# Altium PCB Drive_Circuit.PcbDoc
Units mm, origin at the board's own origin, x right, y up, seen from the top; angles counter-clockwise.
Board outline 80 x 60 mm, 4 copper layers (Top Layer, Internal Plane 1, Internal Plane 2, Bottom Layer), stack 0.462 mm thick; 53 components, 30 nets, 155 pads, 9 vias.
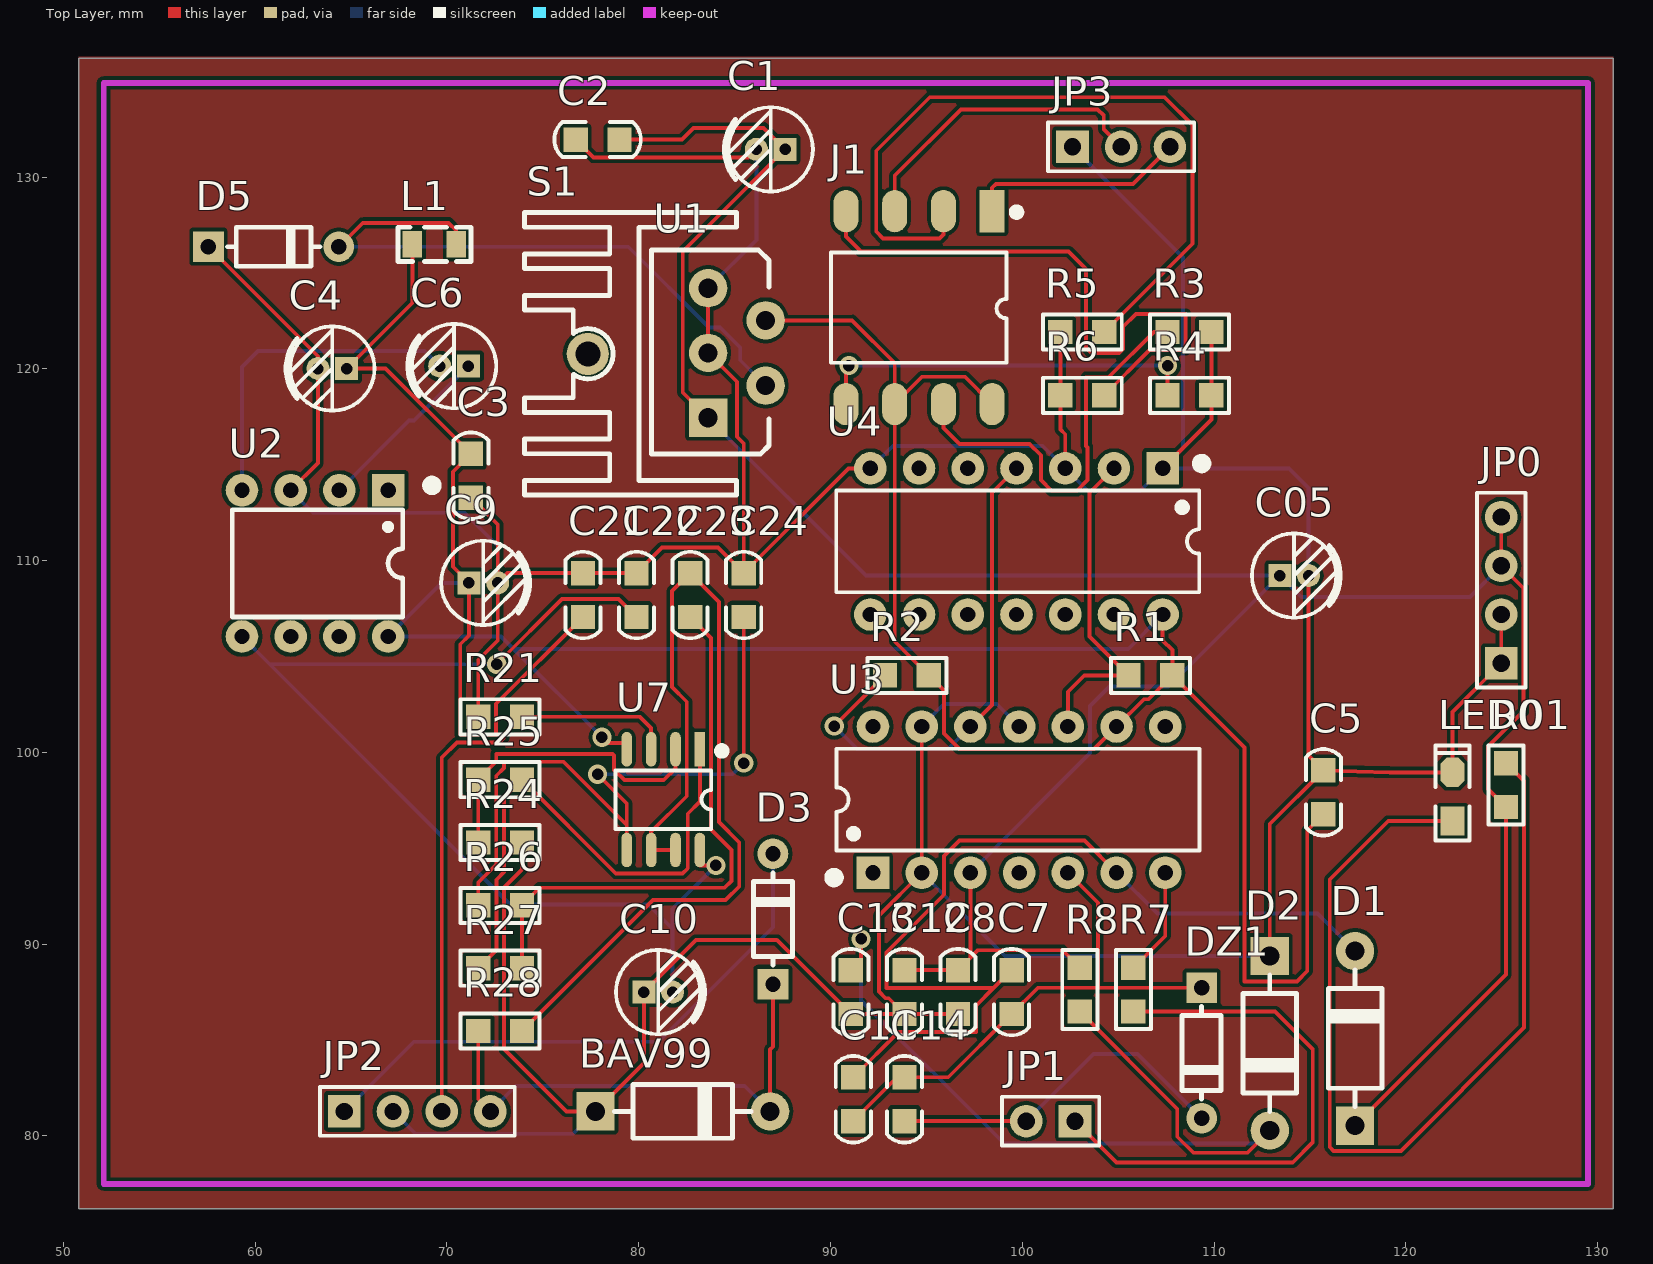
[diagram p0: Top Layer view]
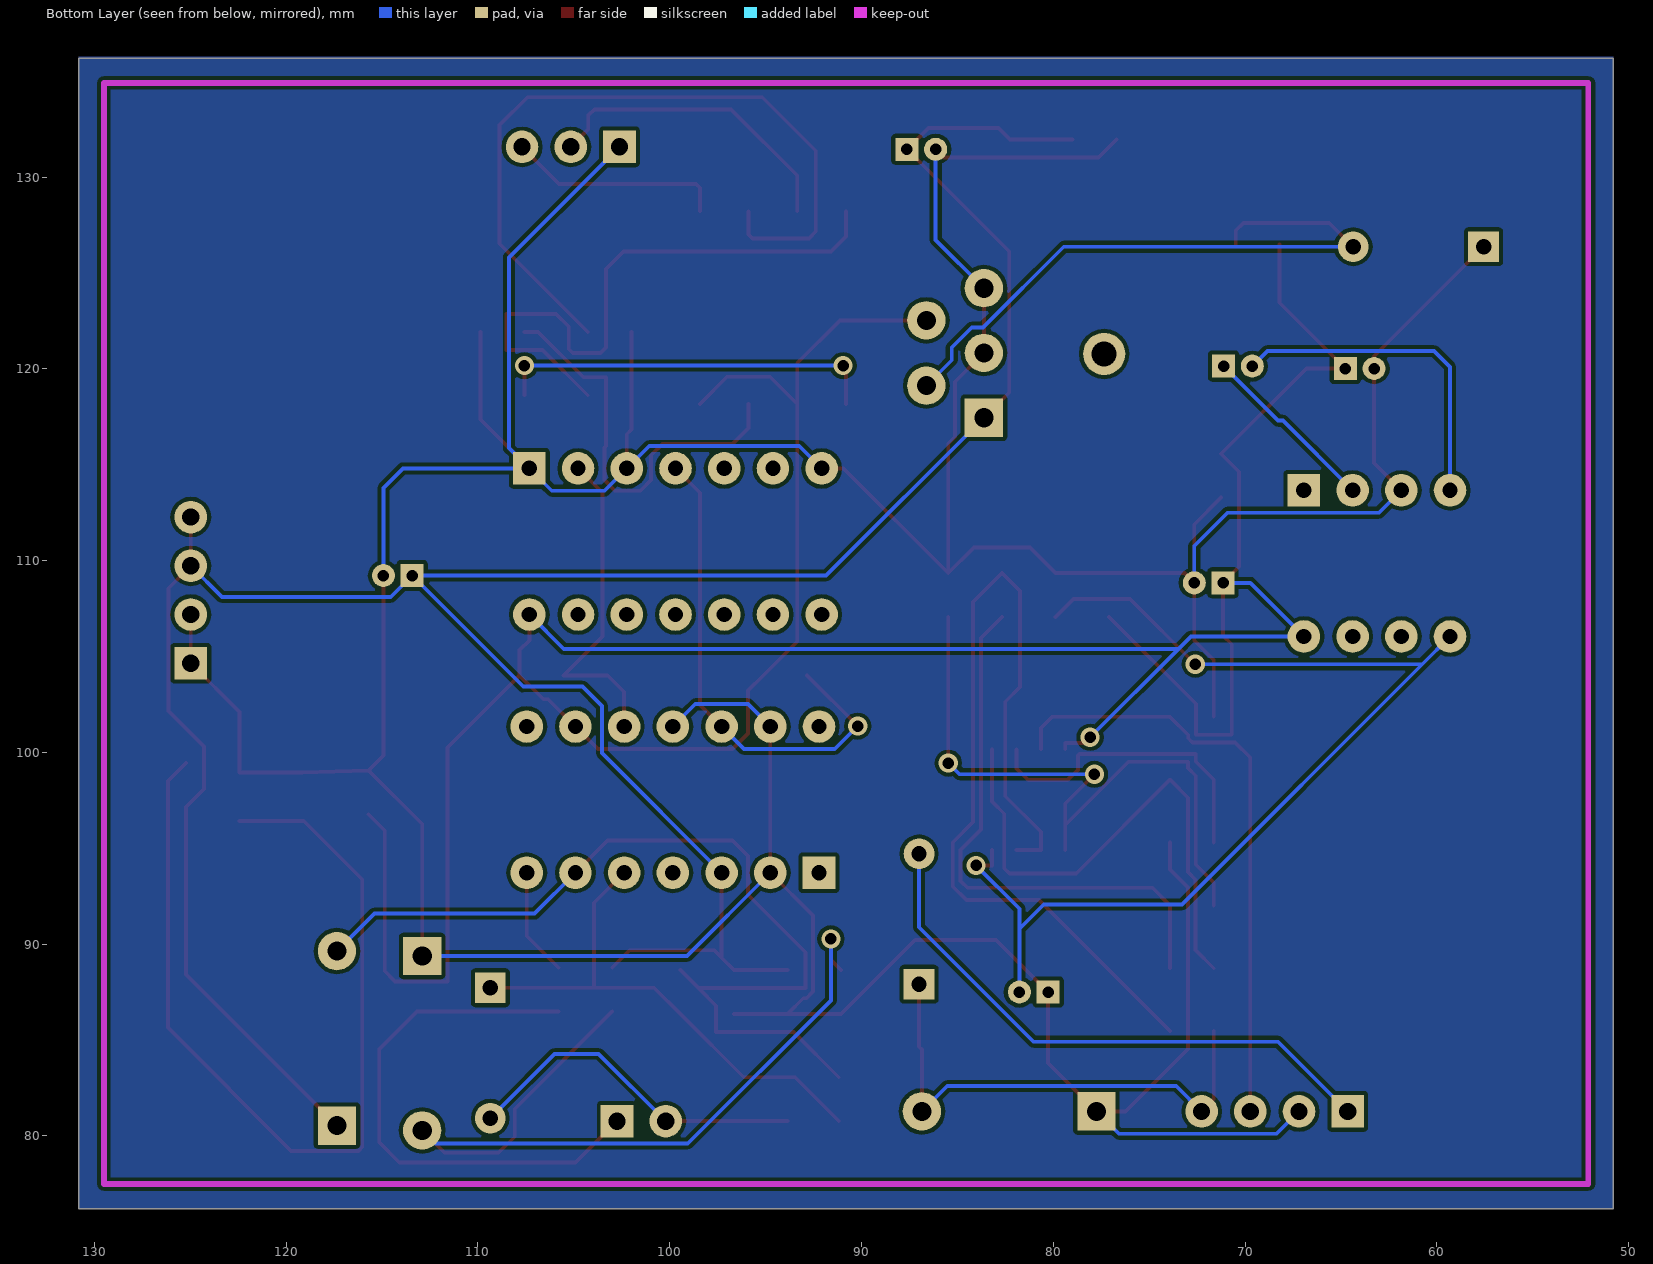
[diagram p1: Bottom Layer view, seen from below]
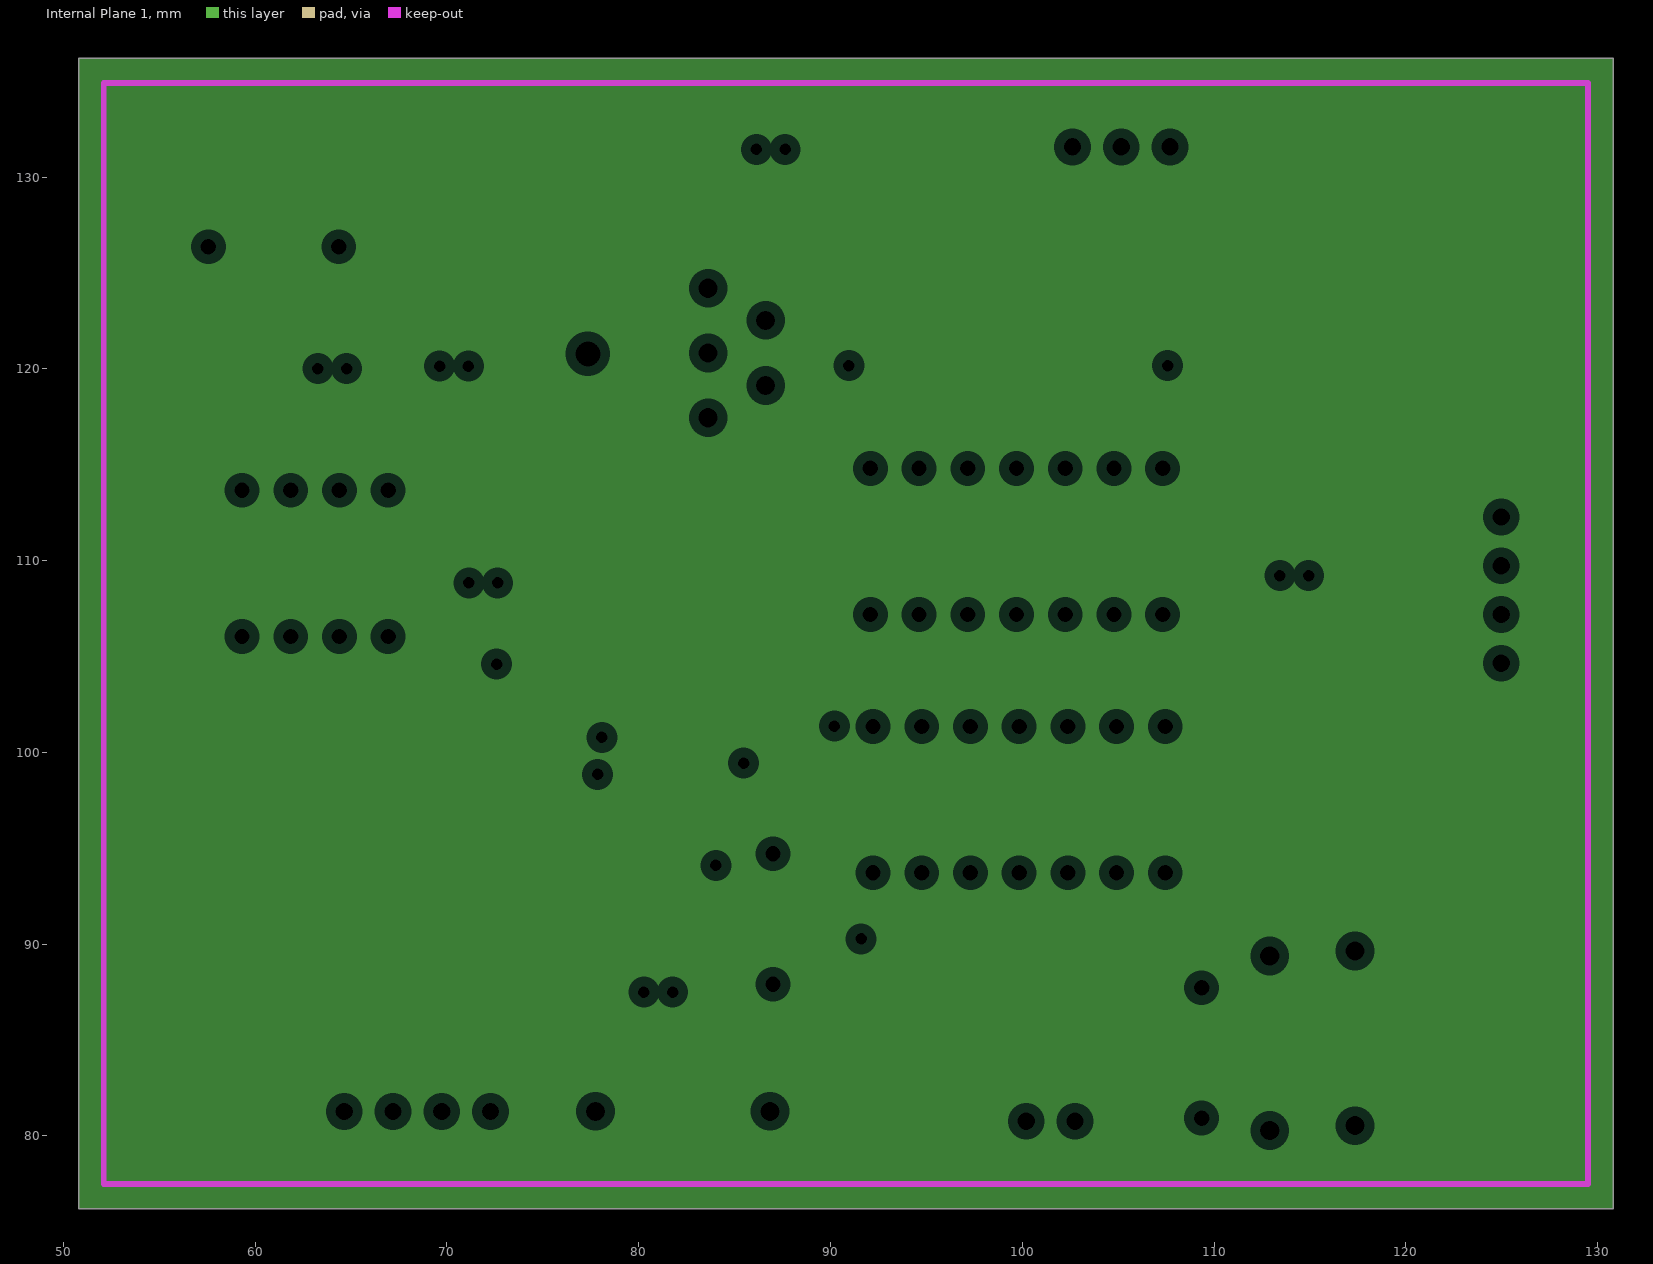
[diagram p2: Internal Plane 1, clearances drawn from the general rule]
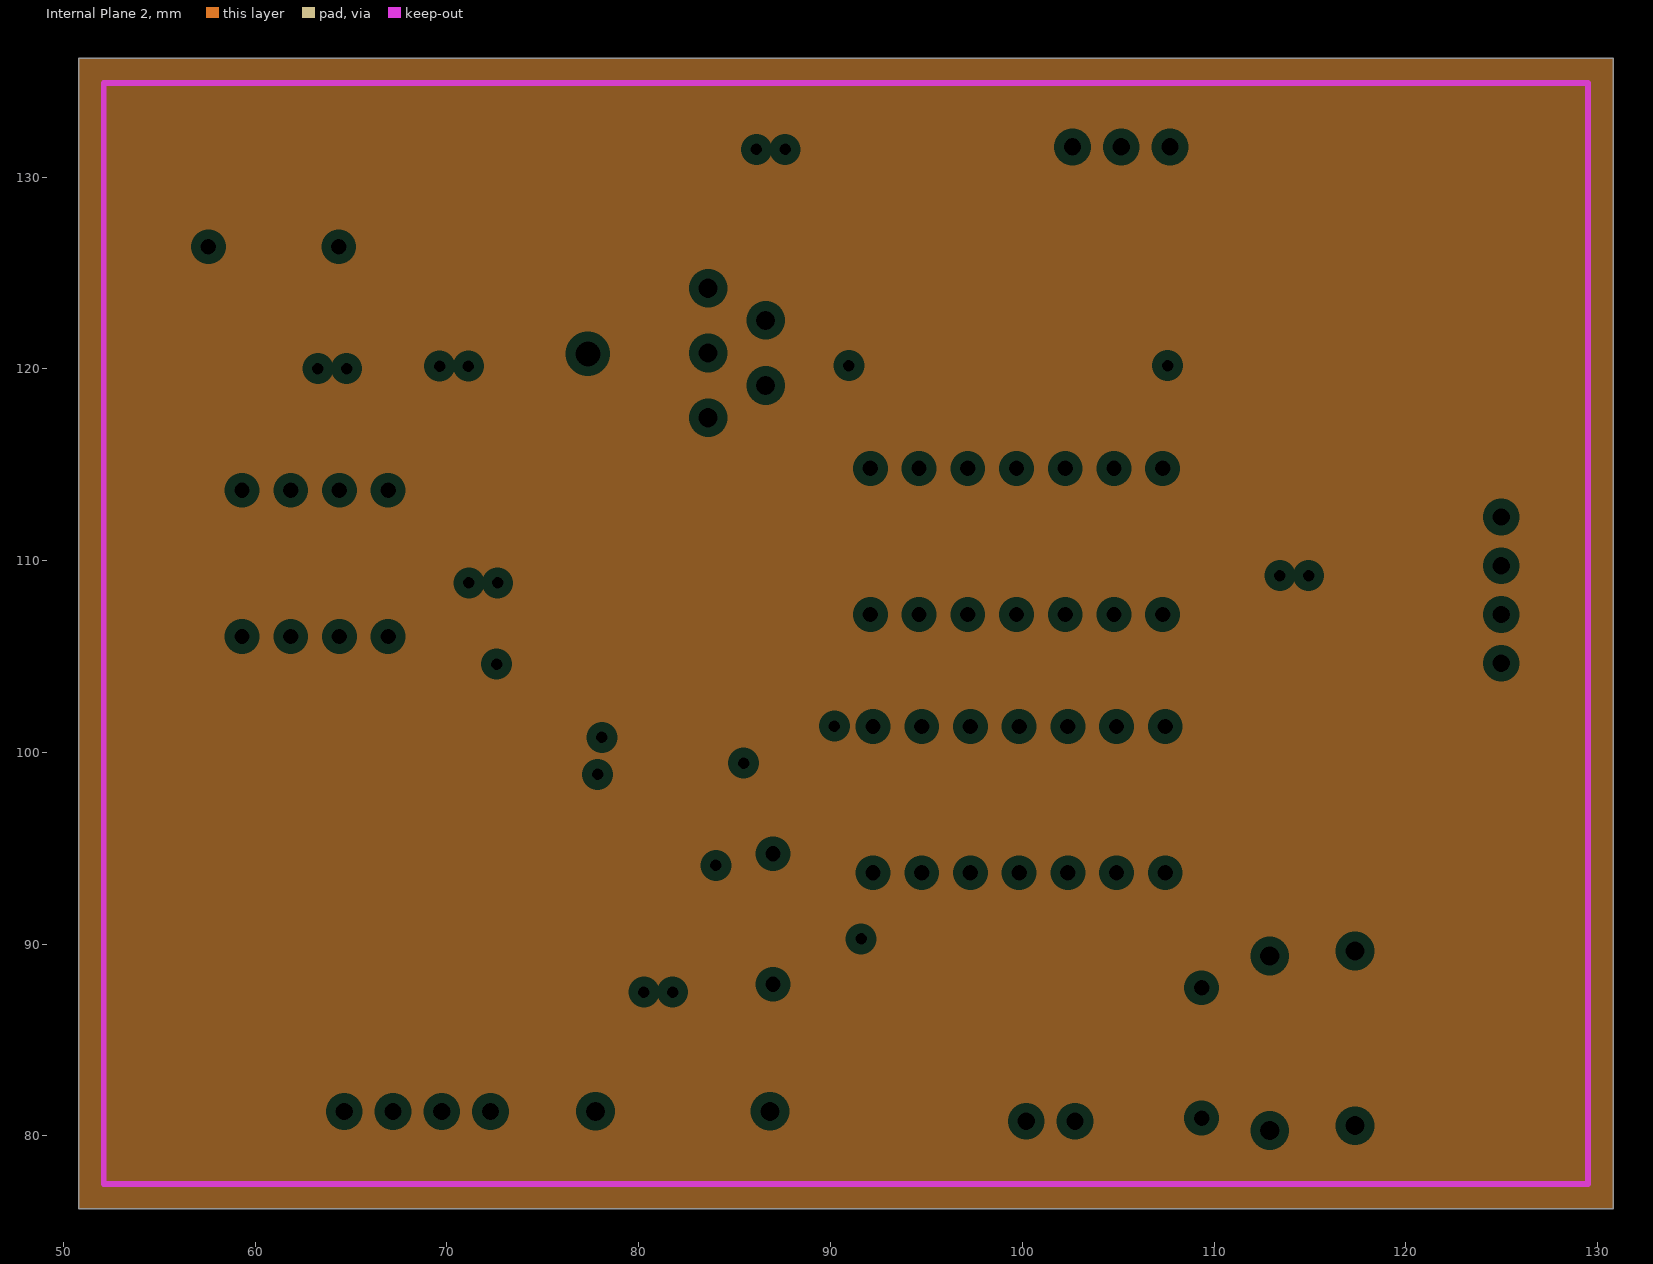
[diagram p3: Internal Plane 2, clearances drawn from the general rule]

## Layer stack, top to bottom
Top Solder: solder mask 0.0102, Solder Resist, Dk 3.5
Top Layer: signal copper 0.0356
Internal Plane 1: plane copper 0.0356
Internal Plane 2: plane copper 0.0356
Dielectric 1: dielectric 0.32, FR-4, Dk 4.8
Bottom Layer: signal copper 0.0356
Bottom Solder: solder mask 0.0102, Solder Resist, Dk 3.5

## Board outline
50.8,76.2 130.8,76.2 130.8,136.2 50.8,136.2

## Design rules (kind name [scope] priority, off if disabled: settings)
Clearance [All] p1: gap=0.2 ignorepadtopadclearanceinfootprint=FALSE
PlaneClearance [All] p1: clearance=0.508
PlaneConnect [All] p1: planeconnectstyle=Relief reliefexpansion=0.508 reliefentries=4 reliefconductorwidth=0.254 reliefairgap=0.254
PolygonConnect [All] p1: connectstyle=Relief reliefconductorwidth=0.254 reliefentries=4 polygonreliefangle="90 Angle" airgapwidth=0.254
RoutingVias [All] p1: holewidth=0.6 width=1 viastyle="Through Hole" minholewidth=0.711 minwidth=1.27 maxholewidth=0.711 maxwidth=1.27
SMDNeckDown [All] p1: percent=50.000
SolderMaskExpansion [All] p1: expansion=0.102
Width [All] p1: maxlimit=0.2 minlimit=0.2 preferedwidth=0.2
28 further rules are at their usual default settings.

## Components (designator, comment, footprint, x,y, rotation, side; value= is the part's Value field where it differs from the comment)
BAV99 "1N4007" DO-41 82.296,81.28 r0 top
C1 "100uF/35V" "CAP 1.5*4*8" 86.88,131.445 r180 top
C2 "0.1uF" "C 0805" 77.851,131.953 r0 top
C3 "0.1uF" "C 0805" 71.247,114.427 r90 top
C4 "470uF/25V" "CAP 1.5*4*8" 64.02,120.015 r180 top
C5 "104" "C 0805" 115.697,97.917 r90 top
C05 "100pF" "CAP 1.5*4*8" 114.173,109.22 r0 top
C6 "100uF/25V" "CAP 1.5*4*8" 70.37,120.142 r180 top
C7 "0.47uF" "C 0805" 99.441,87.503 r90 top
C8 "0.47uF" "C 0805" 96.647,87.503 r90 top
C9 "2uF/10V" "CAP 1.5*4*8" 71.894,108.839 r0 top
C10 "100uF/25V" "CAP 1.5*4*8" 81.014,87.503 r0 top
C11 "0.47uF" "C 0805" 91.186,81.915 r90 top
C12 "0.47uF" "C 0805" 93.853,87.503 r90 top
C13 "0.47uF" "C 0805" 91.059,87.503 r90 top
C14 "0.47uF" "C 0805" 93.853,81.915 r90 top
C21 "0.1uF" "C 0805" 77.089,108.204 r270 top
C22 "0.1uF" "C 0805" 79.883,108.204 r90 top
C23 "20nF" "C 0805" 82.677,108.204 r90 top
C24 "0.1uF" "C 0805" 85.471,108.204 r270 top
D1 "1N4007" DO-41 117.348,85.09 r90 top
D2 "1N4007" DO-41 112.903,84.836 r270 top
D3 "1N4007" DO-35 86.995,91.313 r90 top
D5 "1N4007" DO-35 60.96,126.365 r0 top
DZ1 "1N4106" DO-35 109.347,84.328 r270 top
J1 "TLP521-2" SOP8-W2.54_N 94.615,123.19 r270 top
JP0 "HDR-1X4" HDR-1X4 124.968,104.648 r90 top
JP1 "HDR-1X2" HDR-1X2 102.743,80.772 r180 top
JP2 "HDR-1X4" HDR-1X4 64.643,81.28 r0 top
JP3 "HDR-1X3" HDR-1X3 102.616,131.572 r0 top
L1 "330uH" "L 0805" 69.342,126.492 r180 top
LED0 "Red" "LED 0805G" 122.428,97.688 r90 top
R1 "1K" "R 0805" 106.68,104.013 r0 top
R01 "20K" "R 0805" 125.222,98.298 r90 top
R2 "1K" "R 0805" 93.98,104.013 r0 top
R3 "5.1K" "R 0805" 108.712,121.92 r0 top
R4 "5.1K" "R 0805" 108.712,118.618 r0 top
R5 "1K" "R 0805" 103.124,121.92 r0 top
R6 "1K" "R 0805" 103.124,118.618 r0 top
R7 "1K" "R 0805" 105.791,87.63 r90 top
R8 "1K" "R 0805" 102.997,87.63 r90 top
R21 "2.8K" "R 0805" 72.771,101.854 r0 top
R24 "20K" "R 0805" 72.771,95.301 r0 top
R25 "20K" "R 0805" 72.771,98.577 r180 top
R26 "2K" "R 0805" 72.771,92.024 r0 top
R27 "2K" "R 0805" 72.771,88.748 r180 top
R28 "1K" "R 0805" 72.771,85.471 r0 top
S1 "散热片" 散热片 77.343,120.777 r270 top
U1 "LM2575" TO220-5B 83.614,120.826 r90 top
U2 "LT1054" DIP8-300 63.119,109.855 r270 top
U3 "IR2110" DIP14-300 99.832,97.536 r90 top
U4 "SN74LS07D" DIP14-300 99.695,110.998 r270 top
U7 "LM358" SOP8_N 81.28,97.536 r270 top

## Footprints (in the part's own frame and the unit in brackets; to place one, negate y for a bottom-side part, rotate by r counter-clockwise, add the part's x,y. Pads: shape width x height; smd on the part's side, far side on the other; paste and mask are expansions set on the pad)
"C 0805" [mil] "无极性贴片电容"
  rect 50x50 smd: 1(-45,0) 2(45,0)
  silkscreen extent -89,-36 89,36, body extent -39,-24 39,24, height 20
"CAP 1.5*4*8" [mm] "脚距1.5mm直径4mm高度8mm"
  rect 1.2x1.2 hole 0.6: 1(-0.75,0)
  round 1.2 hole 0.6: 2(0.75,0)
  silkscreen extent -2.2,-2.2 2.41,2.2, body extent -2,-2 2.02,2, height 8.04
DIP8-300 [mm] "9.4*7.6*3.8(长宽高）"
  rect 1.7x1.7 hole 0.8: 1(-3.81,3.81)
  round 1.7 hole 0.8: 2(-3.81,1.27) 3(-3.81,-1.27) 4(-3.81,-3.81) 5(3.81,-3.81) 6(3.81,-1.27) 7(3.81,1.27) 8(3.81,3.81)
  silkscreen extent -4.32,-4.32 2.79,6.35, body extent -3.93,-4.7 3.93,4.7, height 4.5
DIP14-300 [mm] "19*7.6*3.8(长宽高）"
  rect 1.7x1.7 hole 0.8: 1(-3.81,7.62)
  round 1.7 hole 0.8: 2(-3.81,5.08) 3(-3.81,2.54) 4(-3.81,0) 5(-3.81,-2.54) 6(-3.81,-5.08) 7(-3.81,-7.62) 8(3.81,-7.62) 9(3.81,-5.08) 10(3.81,-2.54) 11(3.81,0) 12(3.81,2.54) 13(3.81,5.08) 14(3.81,7.62)
  silkscreen extent -4.32,-9.4 2.65,9.91, body extent -3.98,-9.5 3.98,9.5, height 4.1
DO-35 [mm] "1.8*6.8mm(直径，脚距）"
  rect 1.6x1.6 hole 0.8: 1(-3.4,0)
  round 1.6 hole 0.8: 2(3.4,0)
  silkscreen extent -2.41,-1.02 2.41,1.02, body extent -3.65,-0.9 3.65,0.9, height 1.85
DO-41 [mm] "2.6*9.1mm(直径，脚距）"
  rect 2x2 hole 1: 1(-4.55,0)
  round 2 hole 1: 2(4.55,0)
  silkscreen extent -3.56,-1.4 3.56,1.4, body extent -4.92,-1.29 4.98,1.31, height 2.65
HDR-1X2 [mm] "排针，2脚"
  rect 1.7x1.7 hole 0.9: 1(0,0)
  round 1.7 hole 0.9: 2(2.54,0)
  silkscreen extent -1.27,-1.27 3.81,1.27, body extent -1.27,-1.27 3.81,1.27, height 8.5
HDR-1X3 [mm] "排针，3脚"
  rect 1.7x1.7 hole 0.9: 1(0,0)
  round 1.7 hole 0.9: 2(2.54,0) 3(5.08,0)
  silkscreen extent -1.27,-1.27 6.35,1.27, body extent -1.27,-1.27 6.35,1.27, height 8.5
HDR-1X4 [mm] "排针，4脚"
  rect 1.7x1.7 hole 0.9: 1(0,0)
  round 1.7 hole 0.9: 2(2.54,0) 3(5.08,0) 4(7.62,0)
  silkscreen extent -1.27,-1.27 8.89,1.27, body extent -1.27,-1.27 8.89,1.27, height 8.5
"L 0805" [mil] "小功率贴片电感"
  rect 40x55 smd: 1(-45,0) 2(45,0)
  silkscreen extent -75,-35 75,35, body extent -39,-24 39,24, height 35
"LED 0805G" [mil] "绿色0805LED"
  rect 60x50 smd: 1(-50,0)
  oct 60x50 smd: 2(50,0)
  silkscreen extent -90,-35 105,35, body extent -39,-25 39,25, height 32
"R 0805" [mil] "1/8W贴片电阻"
  rect 50x50 smd: 1(-45,0) 2(45,0)
  silkscreen extent -81,-36 81,36, body extent -39,-25 39,25, height 20
SOP8-W2.54_N [mm] "6.5*9.66*3.5mm（长宽高）"
  rect 2.2x1.3 smd: 1(-5.029,3.81)
  oval 2.2x1.3 smd: 2(-5.029,1.27) 3(-5.029,-1.27) 4(-5.029,-3.81) 5(5.029,-3.81) 6(5.029,-1.27) 7(5.029,1.27) 8(5.029,3.81)
  silkscreen extent -5.13,-4.59 2.87,5.23, body extent -5,-4.83 5,4.83, height 3.82
SOP8_N [mm] "5*6*1.8mm（长宽高）"
  rect 1.8x0.55 smd: 1(-2.625,1.905)
  oval 1.8x0.55 smd: 2(-2.625,0.635) 3(-2.625,-0.635) 4(-2.625,-1.905) 5(2.625,-1.905) 6(2.625,-0.635) 7(2.625,0.635) 8(2.625,1.905)
  silkscreen extent -2.69,-2.5 1.52,3.2, body extent -3,-2.5 3,2.5, height 1.9
TO220-5B [mm] "220，5脚晶体管"
  rect 2x2 hole 1: 1(-3.378,0)
  round 2 hole 1: 2(-1.7,-3) 3(0,0) 4(1.7,-3) 5(3.378,0)
  silkscreen extent -5.26,-3.18 5.36,2.95, body extent -5.05,-3.23 5.05,2.7, height 17.5
散热片 [mm]
  round 2.2 hole 1.3: 0(0,0)
  silkscreen extent -7.37,-3.3 7.37,7.75, body extent -7.39,-3.27 7.39,7.53, height 25.13

## Part data
BAV99 D1 D2 D3 D5: "整流二极管", BOM名称=整流二极管, 学习资源=www.ooocke.com, 版权归属=源创客
C1 C4 C05 C6 C9 C10: library part C-CAP, "直插电解电容", BOM名称=直插电解电容, 学习资源=www.ooocke.com, 版权归属=源创客
C2 C3 C5 C7 C8 C11 C12 C13 C14 C21 C22 C23 C24: library part C, "无极性贴片电容", BOM名称=无极性贴片电容, 学习资源=www.ooocke.com, 版权归属=源创客
DZ1: "12V/0.5W稳压管", BOM名称=12V/0.5W稳压管, 学习资源=www.ooocke.com, 版权归属=源创客
J1: "2路开关光耦", BOM名称=2路开关光耦, 学习资源=www.ooocke.com, 版权归属=源创客
JP0 JP2: library part "Header 4", "4P接插件", BOM名称=4P接插件, 学习资源=www.ooocke.com, 版权归属=源创客
JP1: library part "Header 2", "2P接插件", BOM名称=2P接插件, 学习资源=www.ooocke.com, 版权归属=源创客
JP3: library part "Header 3", "3P接插件", BOM名称=3P接插件, 学习资源=www.ooocke.com, 版权归属=源创客
L1: library part L, "小功率贴片电感", BOM名称=小功率贴片电感, 学习资源=www.ooocke.com, 版权归属=源创客
LED0: library part LED-SMD, "贴片LED", BOM名称=贴片LED, 学习资源=www.ooocke.com, 版权归属=源创客
R1 R01 R2 R3 R4 R5 R6 R7 R8 R21 R24 R25 R26 R27 R28: library part R, "贴片电阻", BOM名称=贴片电阻, 学习资源=www.ooocke.com, 版权归属=源创客
S1: library part S1, BOM名称=散热片, 学习资源=www.ooocke.com, 版权归属=源创客
U1: library part LM2576, "DC降压芯片", BOM名称=DC降压芯片, 学习资源=www.ooocke.com, 版权归属=源创客
U3: "High and Low Side Driver", ComponentLink1Description="Manufacturer Link", ComponentLink1URL=http://www.irf.com/, ComponentLink2Description=Datasheet, ComponentLink2URL=http://www.irf.com/product-info/datasheets/data/ir2110.pdf, DatasheetVersion=PD60147J, LatestRevisionDate=04-Mar-2005, LatestRevisionNote="Stylized 3D Model Added.", Note="Pins 4, 8 and 14 are not connected", PackageDescription="DIP; 14 Leads; Row Spacing 7.62 mm; Pitch 2.54 mm", PackageReference=PDIP14, Published=8-Jun-2000, Publisher="Altium Limited"
U4: "Hex Buffer / Driver with Open-Collector High-Voltage Outputs", Code_IPC=SOIC127P600-14, ComponentLink1Description="Manufacturer Link", ComponentLink1URL=http://www.ti.com/, ComponentLink2Description=Datasheet, ComponentLink2URL=http://www-s.ti.com/sc/ds/sn74ls07.pdf, DatasheetVersion=Aug-1991, LatestRevisionDate=13-Apr-2006, LatestRevisionNote="IPC-7351 Footprint Added.", PackageDescription="14-Pin Small Outline Integrated Circuit 1.27 mm Pitch", PackageReference=D014, PackageVersion=Jan-1998, Published=8-Jun-2000, Publisher="Altium Limited"
U7: "双路运放", BOM名称=双路运放, 学习资源=www.ooocke.com, 版权归属=源创客

## Via types
v1: diameter 1, hole 0.6, Top Layer to Bottom Layer, 9 vias

## Nets (pads, with @x,y where several pads share a name; then routed paths per layer and width w, separated by ;. In a path a pad name is that pad's centre, name@x,y a point inside that pad or via, vN(x,y) a via of type N, cw(c..) or ccw(c..) an arc to the next point about the centre after c; other vN are vias at no path point)
A3.3: D3.2 JP2.1 | length 30.2
  Bottom Layer w0.2: JP2.1 68.275,84.912 81.026,84.912 86.995,90.881 D3.2
GND: BAV99.1 C1.2 C2.1 C3.1 C4.2 C5.2 C05.2 C8.1 C9.2 C10.1 C12.1 C13.1 C21.1 C22.2 C24.1 D2.1 D5.1 JP0.1 JP0.2 JP2.2 JP3.1 LED0.2 R3.2 R4.2 R5.1 R6.1 R21.1 R24.2 U1.3 U1.5 U2.3 U3.2 U3.11 U3.13 U4.1 U4.3 U4.7 | length 298.7
  Top Layer w0.2: D5.1 63.27,120.655 C4.2 63.27,115.086 U2.3 ; C3.1 72.644,111.887 C9.2 ; R21.1 71.628,104.826 72.644,105.842 C9.2 ; R24.2 73.914,93.894 72.979,92.959 72.979,84.526 76.225,81.28 BAV99.1 80.264,83.798 C10.1 82.982,90.221 87.198,90.221 C13.1 C12.1 ; C2.1 77.648,131.013 85.698,131.013 C1.2 ; U1.5 U1.3 85.115,119.325 85.115,116.459 85.471,116.103 C24.1 ; U4.7 90.932,114.808 C24.1 ; U3.13 U3.2 92.518,91.492 92.518,87.525 92.862,87.181 93.032,87.181 C12.1 ; C8.1 C12.1 ; R5.1 R6.1 101.981,116.84 102.235,116.586 U4.3 ; U4.1 109.855,117.348 R4.2 R3.2 ; D2.1 112.903,96.266 C5.2 ; C05.2 114.923,99.834 C5.2 ; JP0.2 JP0.1 122.428,102.108 LED0.2 119.177,98.958 C5.2 ; C9.2 73.152,109.347 C21.1 C22.2 81.218,110.682 84.136,110.682 C24.1
  Bottom Layer w0.2: U2.3 63.017,112.497 70.917,112.497 72.644,110.769 C9.2 ; JP2.2 68.351,80.112 76.578,80.112 BAV99.1 ; U1.5 86.13,126.72 C1.2 ; U4.7 93.243,115.976 101.067,115.976 U4.3 103.403,113.64 106.147,113.64 U4.1 ; U3.2 99.092,89.386 D2.1 ; U3.13 95.92,102.514 98.664,102.514 U3.11 ; JP3.1 108.382,125.806 108.382,115.875 U4.1 ; C05.2 114.923,113.792 113.907,114.808 U4.1
NetC6_1: C6.1 U2.2 | length 9.4
  Bottom Layer w0.2: U2.2 68.021,117.297 68.275,117.297 C6.1
NetC6_2: C6.2 U2.4 | length 17.4
  Bottom Layer w0.2: U2.4 59.309,120.091 60.147,120.929 68.833,120.929 C6.2
NetC7_1: C7.1 C11.1 C14.2 DZ1.1 U3.5 | length 27.7
  Top Layer w0.2: C11.1 93.472,83.058 C14.2 96.139,83.058 C7.1 100.809,87.728 103.937,87.728 ; U3.5 103.937,92.161 103.937,87.728 ; DZ1.1 103.937,87.728
NetC7_2: C7.2 C11.2 D1.2 U3.6 | length 49.2
  Top Layer w0.2: C11.2 93.548,85.42 97.587,85.42 97.587,86.792 98.501,87.706 ; C7.2 98.501,87.706 ; U3.6 103.236,95.402 96.723,95.402 95.91,94.59 95.91,92.573 92.918,89.581 92.918,87.711 92.923,87.706 98.501,87.706
  Bottom Layer w0.2: U3.6 107.046,91.592 115.396,91.592 D1.2
NetC13_2: C13.2 D2.2 R8.1 | length 44
  Top Layer w0.2: C13.2 91.592,89.179 v1(91.592,90.272) ; R8.1 108.077,81.407 108.077,79.959 108.915,79.121 111.738,79.121 D2.2
  Bottom Layer w0.2: v1(91.592,90.272) 91.592,87.071 99.06,79.604 112.221,79.604 D2.2
NetC14_1: C14.1 DZ1.2 JP1.2 | length 18.3
  Top Layer w0.2: C14.1 JP1.2
  Bottom Layer w0.2: JP1.2 103.708,84.277 105.998,84.277 DZ1.2
NetC23_1: C23.1 R26.2 R27.1 | length 29.4
  Top Layer w0.2: R27.1 R26.2 74.828,92.939 84.477,92.939 84.836,93.298 84.836,94.907 83.769,95.974 83.769,105.969 C23.1
NetC23_2: C23.2 R28.2 U7.6 U7.7 | length 49
  Top Layer w0.2: R28.2 80.747,92.304 84.531,92.304 85.236,93.009 85.236,95.307 84.176,96.368 84.176,107.848 C23.2 81.737,108.407 81.737,103.403 82.499,102.641 82.499,97.714 80.645,95.86 U7.6 U7.7
NetC24_2: C24.2 R26.1 U7.5 | length 35.9
  Top Layer w0.2: R26.1 71.628,93.208 72.568,94.148 72.568,98.781 72.974,99.187 72.974,99.512 76.073,99.512 79.375,96.21 ; v1(77.851,98.857) 79.375,97.333 79.375,96.21 ; U7.5 79.375,96.21 ; v1(85.471,99.441) C24.2
  Bottom Layer w0.2: v1(77.851,98.857) 84.887,98.857 v1(85.471,99.441)
NetD5_2: D5.2 L1.1 U1.2 | length 33.2
  Top Layer w0.2: D5.2 65.605,127.61 70.079,127.61 70.485,127.203 L1.1
  Bottom Layer w0.2: D5.2 79.451,126.365 83.668,122.149 84.252,122.149 85.293,121.107 85.293,120.447 U1.2
NetJ1_1: J1.1 JP3.3 | length 11.4
  Top Layer w0.2: J1.1 98.425,129.438 98.628,129.642 105.766,129.642 JP3.3
NetJ1_2: J1.2 R5.2 | length 40.1
  Top Layer w0.2: J1.2 95.885,127 95.682,126.797 92.735,126.797 92.38,127.152 92.38,131.369 95.174,134.163 107.417,134.163 108.864,132.715 108.864,126.517 R5.2
NetJ1_3: J1.3 JP3.2 | length 16.3
  Top Layer w0.2: J1.3 93.345,130.073 96.8,133.528 103.925,133.528 104.248,133.204 104.248,132.48 JP3.2
NetJ1_4: J1.4 R6.2 | length 32.6
  Top Layer w0.2: J1.4 90.805,126.898 91.592,126.111 102.413,126.111 103.327,125.197 103.327,121.107 103.607,120.828 105.054,120.828 105.258,121.031 105.258,122.199 105.918,122.86 108.509,122.86 108.509,120.98 106.629,120.98 R6.2
NetJ1_5: J1.5 R4.1 | length 20.2
  Top Layer w0.2: J1.5 90.805,120.015 v1(90.957,120.167) ; R4.1 v1(107.569,120.167)
  Bottom Layer w0.2: v1(90.957,120.167) v1(107.569,120.167)
NetJ1_7: J1.7 R3.1 | length 21.7
  Top Layer w0.2: J1.7 95.885,116.916 96.723,116.078 100.381,116.078 100.965,115.494 100.965,114.198 101.524,113.64 102.845,113.64 103.403,114.198 103.403,115.9 103.327,115.976 103.327,119.558 104.494,119.558 106.856,121.92 R3.1
NetJP1_1: JP1.1 R7.1 | length 28.8
  Top Layer w0.2: JP1.1 104.902,78.613 114.097,78.613 115.138,79.654 115.138,84.531 113.182,86.487 R7.1
NetLED0_1: LED0.1 R01.2 | length 48.7
  Top Layer w0.2: LED0.1 119.075,96.418 116.027,93.37 116.027,79.426 116.23,79.223 119.736,79.223 126.162,85.649 126.162,98.501 R01.2
NetR1_1: R1.1 U3.10 U4.2 | length 17.5
  Top Layer w0.2: U3.10 102.372,103.159 103.226,104.013 R1.1 103.505,106.045 103.505,113.538 U4.2
NetR2_1: R2.1 U3.12 U4.4 | length 26.3
  Top Layer w0.2: v1(90.195,101.371) R2.1 ; U3.12 98.425,102.479 98.425,113.538 U4.4
  Bottom Layer w0.2: v1(90.195,101.371) 91.389,100.178 96.124,100.178 U3.12
NetR7_2: R7.2 U3.7 | length 5.6
  Top Layer w0.2: R7.2 107.452,90.434 U3.7
NetR24_1: R24.1 R25.2 U7.2 | length 16.6
  Top Layer w0.2: R24.1 R25.2 72.568,99.517 72.568,99.924 78.635,99.924 78.715,99.844 78.715,99.085 79.248,98.552 81.305,98.552 81.915,99.162 U7.2
NetR25_1: R25.1 R27.2 U7.1 | length 28
  Top Layer w0.2: R27.2 72.579,89.699 72.579,93.359 72.974,93.754 72.974,97.638 R25.1 78.798,93.693 82.289,93.693 82.55,93.955 82.55,96.799 83.185,97.434 U7.1
V_f: BAV99.2 D3.1 JP2.4 R28.1 | length 26.8
  Top Layer w0.2: R28.1 71.628,81.915 JP2.4 ; BAV99.2 86.846,84.506 86.995,84.655 D3.1
  Bottom Layer w0.2: JP2.4 73.584,82.601 85.525,82.601 BAV99.2
VCC+5V: C3.2 C4.1 C5.1 C9.1 C21.2 J1.6 J1.8 L1.2 R1.2 R2.2 U1.4 U2.8 U3.9 U4.14 U7.4 | length 177.7
  Top Layer w0.2: L1.2 68.199,123.444 C4.1 66.802,120.015 C3.2 70.307,114.63 70.307,109.676 C9.1 71.144,106.096 70.688,105.64 70.688,100.919 72.563,100.919 72.563,102.535 C21.2 ; v1(78.08,100.787) 78.384,100.482 79.375,100.482 U7.4 ; U1.4 91.114,122.526 93.345,120.294 J1.6 ; J1.8 97.003,119.583 94.768,119.583 J1.6 ; U4.14 107.315,105.842 107.823,105.334 R1.2 ; C5.1 114.859,95.936 114.859,88.595 114.325,88.062 111.582,88.062 111.582,100.254 R1.2 ; J1.6 93.345,105.791 R2.2 95.91,103.226 95.91,100.99 96.723,100.178 103.744,100.178 U3.9 106.334,102.768 106.578,102.768 R1.2
  Bottom Layer w0.2: C9.1 69.723,108.839 U2.8 72.822,106.045 73.47,105.397 ; v1(78.08,100.787) 73.47,105.397 ; U4.14 105.524,105.397 73.47,105.397
VCC+15V: C1.1 C2.2 C05.1 C8.2 C12.2 D1.1 JP0.3 JP0.4 R01.1 R8.2 U1.1 U3.3 | length 147
  Top Layer w0.2: C2.2 82.245,131.953 82.855,132.563 86.512,132.563 C1.1 82.296,126.111 82.296,118.766 U1.1 ; C12.2 C8.2 97.292,89.291 ; U3.3 97.292,89.291 ; R8.2 102.083,89.687 97.688,89.687 97.292,89.291 ; D1.1 125.222,88.414 R01.1 124.287,98.09 124.287,100.309 126.136,102.159 126.136,108.56 JP0.3 JP0.4
  Bottom Layer w0.2: U1.1 91.842,109.22 C05.1 ; U3.3 103.53,99.964 103.53,102.413 104.546,103.429 107.632,103.429 C05.1 ; JP0.3 123.342,108.102 114.541,108.102 C05.1
VCC-5V: C10.2 C22.1 U2.5 U7.8 | length 58.9
  Top Layer w0.2: v1(72.593,104.597) 75.997,108.001 78.943,108.001 C22.1 ; U7.8 83.185,94.107 v1(84.023,94.107)
  Bottom Layer w0.2: U2.5 60.757,104.597 ; v1(72.593,104.597) 60.757,104.597 ; C10.2 81.764,90.804 ; v1(84.023,94.107) 81.764,91.848 81.764,90.804 ; 60.757,104.597 73.279,92.075 80.493,92.075 81.764,90.804
Vf: JP2.3 R21.2 U7.3 | length 31.7
  Top Layer w0.2: JP2.3 69.723,99.72 70.522,100.519 72.746,100.519 72.963,100.736 72.963,100.903 R21.2 80.061,101.854 80.645,101.27 U7.3
pads on no net: S1.0 U2.1 U2.6 U2.7 U3.1 U3.4 U3.8 U3.14 U4.5 U4.6 U4.8 U4.9 U4.10 U4.11 U4.12 U4.13

## Polygon pours and split planes (outlines as drawn)
no net on Top Layer "Top Layer-No Net" (solid, pour order 4): 50.8,136.271 50.8,76.2 130.81,76.2 130.81,136.271
no net on Bottom Layer "Top Layer-No Net" (solid, pour order 6): 50.8,136.271 50.8,76.2 130.81,76.2 130.81,136.271

## Keep-outs
Keep-Out Layer:
  lines w0.3: 52.1,77.5 52.1,134.9 129.5,134.9 129.5,77.5 52.1,77.5

## Dimensions
52.1,77.5 to 52.1,134.9 on Mechanical 1
52.1,77.5 to 129.5,77.5 on Mechanical 1